# Altium PCB WX0.011.893PCB-4.2(1).PcbDoc (part 2 of 2) (continued)
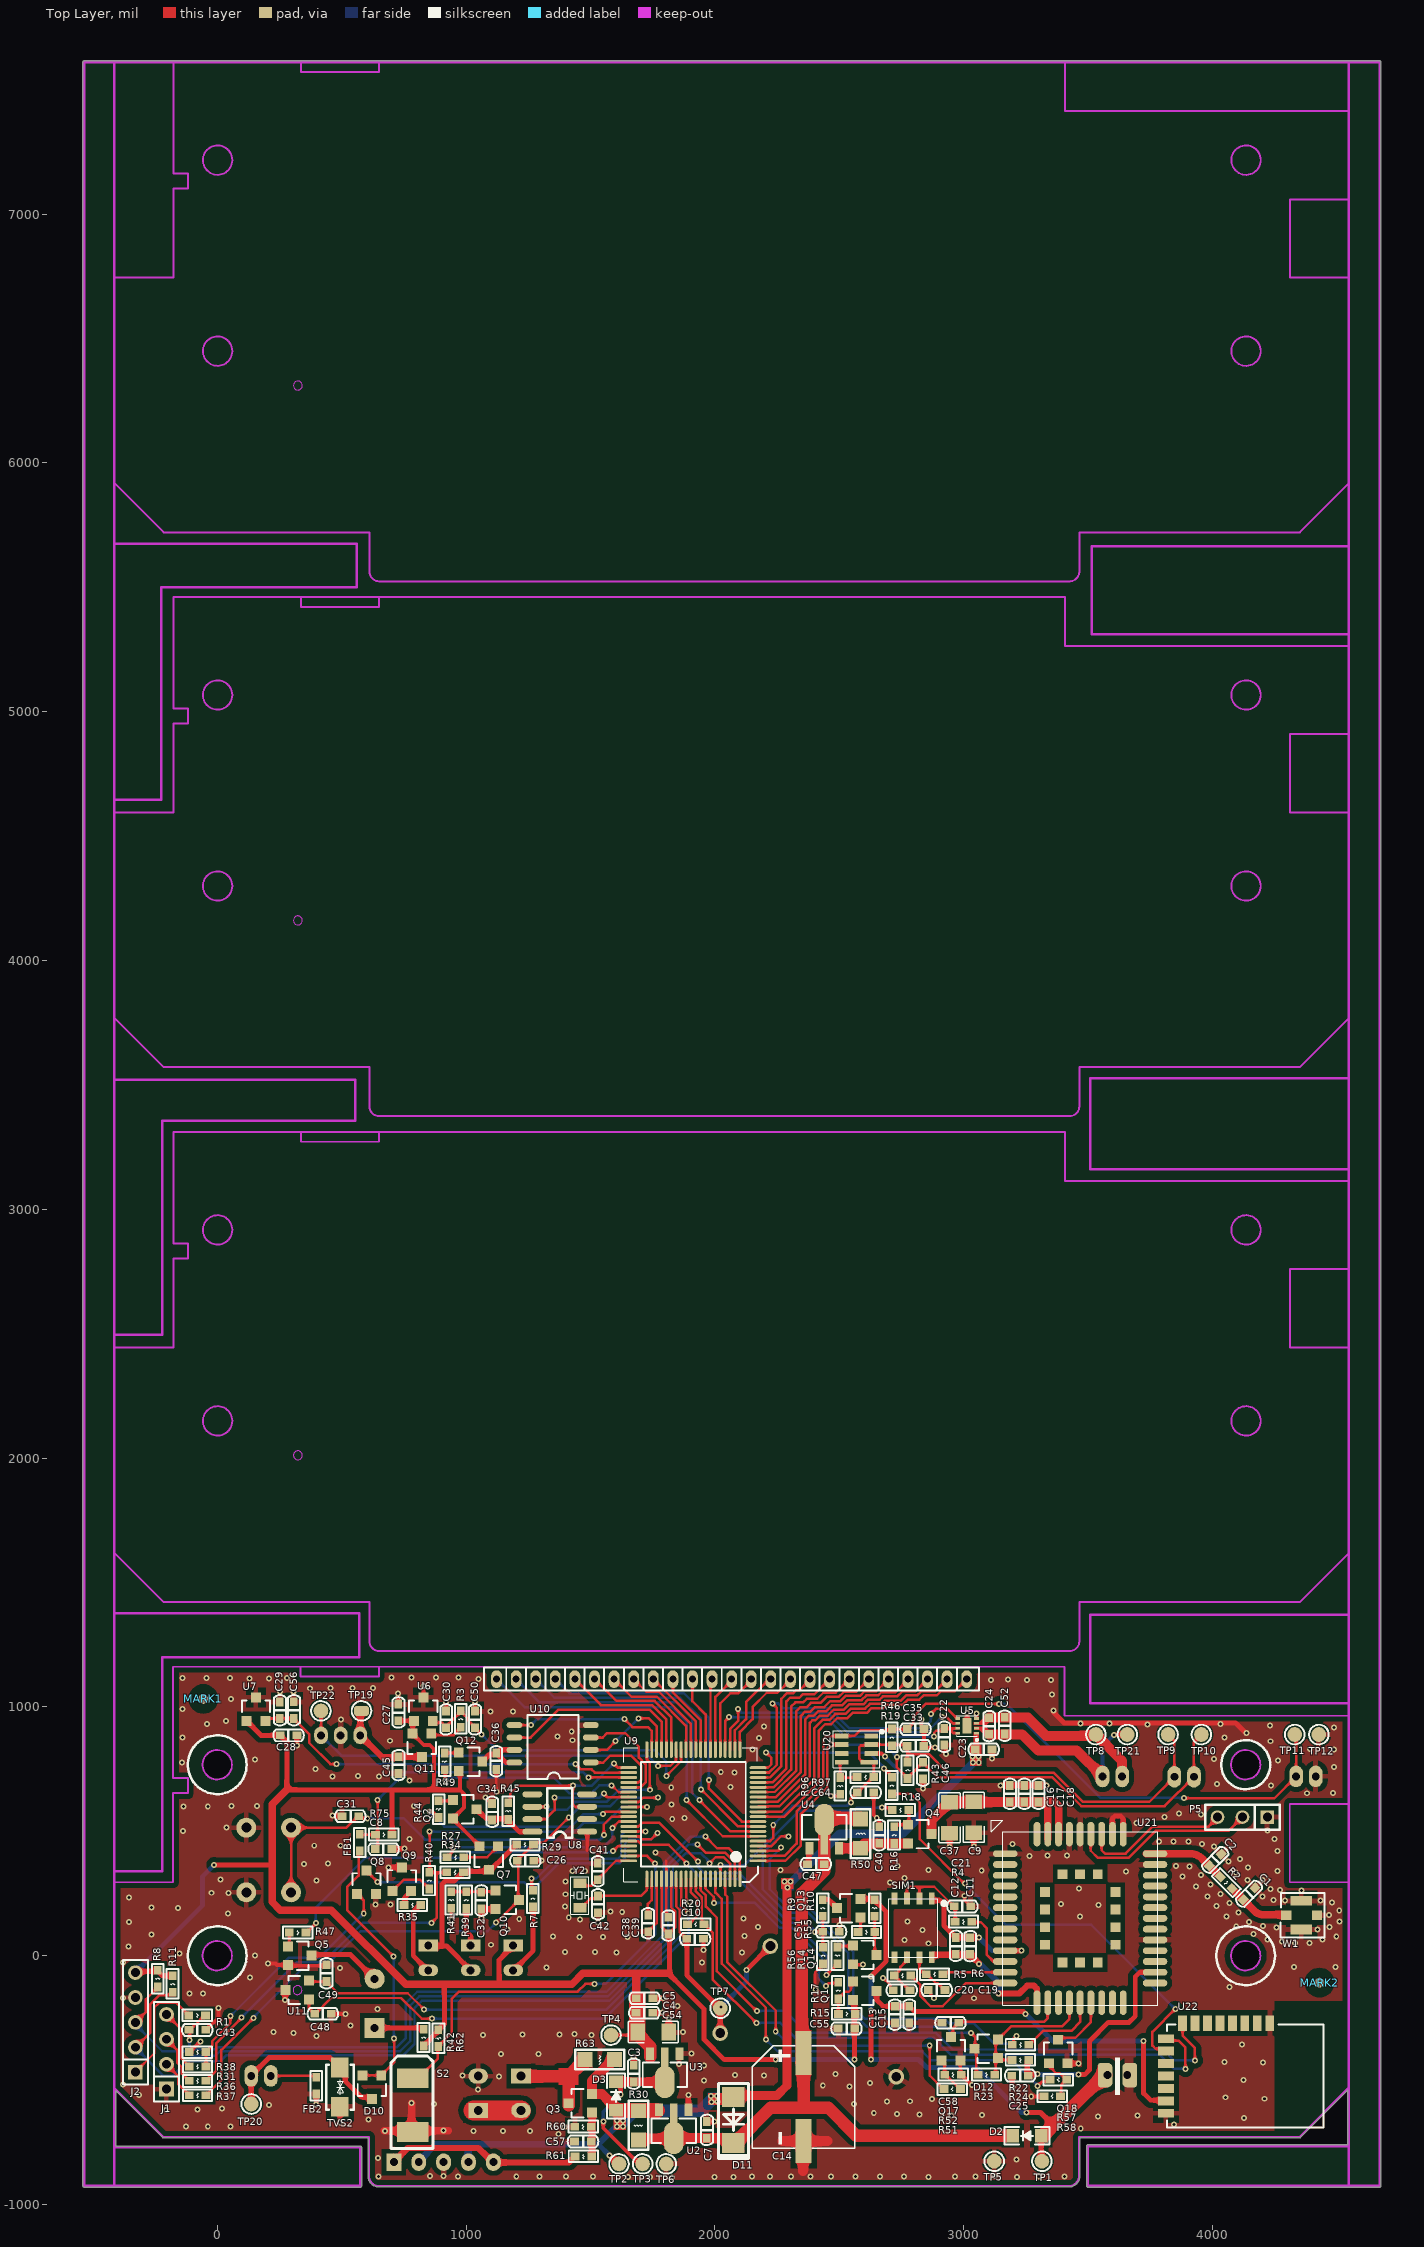
[diagram p0: Top Layer view]
## Nets (pads, with @x,y where several pads share a name; then routed paths per layer and width w, separated by ;. In a path a pad name is that pad's centre, name@x,y a point inside that pad or via, vN(x,y) a via of type N, cw(c..) or ccw(c..) an arc to the next point about the centre after c; other vN are vias at no path point) (continued)
  Top Layer w10: U20.8@2504,780 R96.2@2504,716 R97.1@2570,716
OPEN: U5.6 U9.23 | length 1138.1
  Top Layer w10: U9.23@2061.47,828.48 2061.47,910.91 2094,943.44 v1(2094,991) ; v1(2913,960) 2931,960 2957.16,933.84 U5.6@2976.6,933.84
  Bottom Layer w10: v1(2094,991) 2094,989 2107,976 2455,976 2533,898 2852,898 2913.5,959.5 v1@2913.5,962.5
R: C24.1 C52.1 P3.1 TP21.1 U5.2 | length 766.6
  Top Layer w15: v1@3605,889 TP21.1@3658,889
  Top Layer w40: C24.1@3102.17,889.87 3235.13,889.87 3301,824 3454.86,824 P3.1@3558.58,720.28
  Bottom Layer w15: P3.1@3558.58,720.28 3558.58,841.58 v1(3605,888)
RESET_N: C58.1 Q17.3 U21.15 | length 526.1
  Top Layer w10: Q17.3@2949.5,-326.76 2957,-319.26 2957,-291 2978,-270 C58.1@2980.49,-270 ; C58.1@2985.49,-275 2994.49,-266 3324,-266 3338,-252 U21.15@3338,-159
RST: C43.1 R1.1 U9.80 | length 3095.7
  Top Layer w10: C43.1@-113.49,-298 C43.1@-111,-295.51 ; v1@-111,-337 C43.1@-111,-295.51 ; R1.1@-47,-240 -51,-240 -106.51,-295.51 C43.1@-111,-295.51 ; v1(1962,479) 2010,431 2057,431 2100,388 2100,309.64 U9.80@2100.84,308.8
  Bottom Layer w10: v1@-112,-337 -112,-362 -98,-376 -5,-376 4,-367 722,-367 757,-332 757,-192 804,-145 1563.96,-145 1795,86.04 1795,372 1902,479 v1(1962,479)
  other v1: -112,-339
RXD1: P9.1 TP22.1 U9.34 | length 1627.8
  Top Layer w10: P9.1@417.36,885.67 TP22.1@417.36,983.64 ; v1(1771,763) 1821,763 1844.94,786.94 U9.34@1844.94,828.48
  Bottom Layer w10: P9.1@417.36,885.67 499.03,804 1730,804 v1(1771,763)
RXD5: R20.2 U9.71 U22.9 | length 2666.7
  Top Layer w10: U9.71@1923.68,308.8 1923.68,258.62 1947,235.3 R20.2@1947,123 ; R20.2@1957,127 1991,93 1991,-95 v1@2167,-271 ; U22.9@3813.58,-333.6 3820.98,-341 3864,-341 3892,-369 v1(3892,-455)
  Bottom Layer w10: v1(2167,-270) 2263,-270 2322,-329 2880,-329 2950,-399 3789,-399 3844,-454 v1@3898,-454
S0: LCD1.5 U9.36 | length 555.9
  Top Layer w10: LCD1.5@1437.8,1111.64 1542.43,1007 1748,1007 1805.57,949.43 U9.36@1805.57,828.48
S1: LCD1.6 U9.35 | length 501.1
  Top Layer w10: LCD1.6@1516.54,1111.64 1604.17,1024 1758,1024 1825.25,956.75 U9.35@1825.25,828.48
S2: LCD1.7 U9.32 | length 462.1
  Top Layer w10: LCD1.7@1595.28,1111.64 1665.91,1041 1767,1041 1884.31,923.69 U9.32@1884.31,828.48
S3: LCD1.8 U9.31 | length 407.9
  Top Layer w10: LCD1.8@1674.02,1111.64 1724.65,1061 1775,1061 1903.99,932.01 U9.31@1903.99,828.48
S4: LCD1.9 U9.30 | length 354
  Top Layer w10: LCD1.9@1752.76,1111.64 1923.68,940.72 U9.30@1923.68,828.48
S5: LCD1.10 U9.29 | length 329.5
  Top Layer w10: LCD1.10@1831.5,1111.64 1831.5,1058.5 1943.36,946.64 U9.29@1943.36,828.48
S6: LCD1.11 U9.28 | length 305
  Top Layer w10: LCD1.11@1910.24,1111.64 1910.24,1022.76 1963.05,969.95 U9.28@1963.05,828.48
S7: LCD1.12 U9.27 | length 287.2
  Top Layer w10: U9.27@1982.73,828.48 1982.73,1105.39 LCD1.12@1988.98,1111.64 LCD1.12@1990,1110.61
S8: LCD1.13 U9.26 | length 326
  Top Layer w10: U9.26@2002.42,828.48 2002.42,1040.42 LCD1.13@2069,1107 ; LCD1.13@2067.72,1091.72 LCD1.13@2067.72,1111.64
S9: LCD1.14 U9.25 | length 362.4
  Top Layer w10: U9.25@2022.1,828.48 2022.1,1014.1 2062,1054 2094,1054 LCD1.14@2149,1109 ; LCD1.14@2146.46,1101.09 LCD1.14@2146.46,1111.64
S10: LCD1.15 U9.22 | length 356.2
  Top Layer w10: U9.22@2081.16,828.48 2081.16,906.16 2126,951 2126,1019 2219.5,1112.5 LCD1.15@2219.5,1118.5 ; LCD1.15@2225.2,1104.2 LCD1.15@2225.2,1111.64 LCD1.15@2225.2,1110.2
S11: LCD1.16 U9.21 | length 392.5
  Top Layer w10: U9.21@2100.84,828.48 2100.84,899.84 2152,951 2152,1000 2209,1057 2252,1057 2303.94,1108.94 LCD1.16@2303.94,1111.64
S12: LCD1.17 U9.18 | length 533.3
  Top Layer w10: U9.18@2173.68,716.28 2222.32,716.28 2268,761.96 2268,1033 2289,1054 2314,1054 2327,1067 2341,1067 2382.68,1108.68 LCD1.17@2382.68,1111.64
S13: LCD1.18 U9.17 | length 617.2
  Top Layer w10: U9.17@2173.68,696.59 2231.59,696.59 2288,753 2288,1022 2303,1037 2340,1037 2353,1050 2399.78,1050 LCD1.18@2461.42,1111.64
S14: LCD1.19 U9.16 | length 694.8
  Top Layer w10: U9.16@2173.68,676.91 2235.95,676.91 2307,747.96 2307,1001 2324,1018 2355,1018 2370,1033 2412,1033 2436,1057 2485.52,1057 LCD1.19@2540.16,1111.64
S15: LCD1.20 U9.15 | length 772.9
  Top Layer w10: U9.15@2173.68,657.22 2174.46,658 2241.08,658 2328,744.92 2328,983 2343,998 2368,998 2386,1016 2425,1016 2449,1040 2498,1040 2519,1061 2568.26,1061 LCD1.20@2618.9,1111.64
S16: LCD1.21 U9.14 | length 852.7
  Top Layer w10: U9.14@2173.68,637.54 2245.54,637.54 2346,738 2346,964 2363,981 2384,981 2402,999 2440,999 2464,1023 2505.04,1023 2526.04,1044 2583.36,1044 2602.36,1063 2649,1063 LCD1.21@2697.64,1111.64
S17: LCD1.22 U9.13 | length 938.6
  Top Layer w10: U9.13@2173.68,617.85 2252.85,617.85 2363,728 2363,950 2377,964 2397,964 2415,982 2447.04,982 2471.04,1006 2512.08,1006 2533.08,1027 2590.4,1027 2609.4,1046 2656.04,1046 2669.04,1059 2726,1059 2776.38,1109.38 LCD1.22@2776.38,1111.64
S18: LCD1.23 U9.12 | length 1018.9
  Top Layer w10: U9.12@2173.68,598.17 2175.46,599.95 2258.99,599.95 2382,722.96 2382,936 2392.38,946.38 2404.38,946.38 2423,965 2454.08,965 2478.08,989 2519.12,989 2540.12,1010 2597.45,1010 2616.45,1029 2663.08,1029 2676.08,1042 2733.04,1042 2754.04,1063 2806.48,1063 LCD1.23@2855.12,1111.64
S19: LCD1.24 U9.11 | length 1101.1
  Top Layer w10: U9.11@2173.68,578.48 2268.48,578.48 2399,709 2399,914 2433,948 2461.12,948 2485.12,972 2526.17,972 2547.17,993 2604.49,993 2623.49,1012 2670.13,1012 2683.13,1025 2748,1025 2769,1046 2813.52,1046 2830.52,1063 2885.22,1063 LCD1.24@2933.86,1111.64
S20: LCD1.25 U9.10 | length 1189.8
  Top Layer w10: U9.10@2173.68,558.8 2279.8,558.8 2417,696 2417,904 2444,931 2468.17,931 2492.17,955 2533.21,955 2554.21,976 2611.53,976 2630.53,995 2677.17,995 2690.17,1008 2755.04,1008 2776.04,1029 2822,1029 2839,1046 2892.26,1046 2909.26,1063 2963.96,1063 LCD1.25@3012.6,1111.64
SET: Q8.3 U9.55 | length 1453.4
  Top Layer w10: Q8.3@600,343.24 600,341 v1(645,296) ; U9.55@1653.99,480.06 1695.43,480.06 1707.75,467.74 1743.74,467.74 v1(1769,493)
  Bottom Layer w10: v1@643,298 v1(645,296) 1232.75,296 1250.75,278 1280,278 1374,372 1617.3,372 1640,394.7 1640,452 1655,467 1743,467 v1(1769,493)
SIM_CLK: C20.1 R5.1 SIM1.6 | length 193.3
  Top Layer w10: R5.1@2720.84,-79.36 2722,-79.36 2781.64,-139 C20.1@2784.49,-139 ; R5.1@2722.64,-79.36 2746,-56 2746,-45 2772.26,-18.74 SIM1.6@2772.26,-6.36 ; SIM1.6@2772.26,0.26 SIM1.6@2772.26,11.64
SIM_DATA: C21.1 R4.2 SIM1.2 SIM1.3 | length 380.9
  Top Layer w10: SIM1.3@2772,227 2772,266 2783,277 2882,277 2960.36,198.64 C21.1@2962.34,198.64 ; SIM1.2@2822.26,221 2822.26,277 ; R4.2@2965.84,136.64 C21.1@2965.84,195.15
SIM_RST: C19.1 R6.1 SIM1.7 | length 182.7
  Top Layer w10: SIM1.7@2822.26,-6.36 2822.26,-53.26 2847.36,-78.36 2856.36,-78.36 2888,-110 2895,-110 C19.1@2923,-138
SLEEP: C22.2 U5.7 U5.8 U9.24 | length 1180.3
  Top Layer w10: U9.24@2041.79,828.48 2041.79,942.79 2057,958 v1@2058,958 ; v1@2885.98,881 v1(2882,881) 2882,896 2891,905 2913.49,905 C22.2@2922,913.51 C22.2@2915.49,907 ; C22.2@2914,914 2951,914 ; U5.8@2976.6,894.48 2957.52,894.48 2951,901 2951,914 ; U5.7@2976.6,914 2951,914
  Bottom Layer w10: v1(2058,959) 2446,959 2524,881 v1(2882,881) 2887,881 v1@2889,883
STATE_BLE: R19.2 U22.10 | length 1863
  Top Layer w10: R19.2@2712,650 2789,650 2824,615 2824,469 3006.5,286.5 v1@3007.5,286.5 ; U22.10@3795,-372 U22.10@3805,-382 ; U22.10@3813.58,-383.6 3803.98,-374 3772,-374 3759,-361 3759,-306 v1@3854.5,-210.5
  Bottom Layer w10: v1@3003,291 3170,124 3513,124 3852.5,-215.5 v1@3856.5,-215.5
  other v1: 3851,-214 3005,290
SWCLK: J2.2 R11.2 U9.78 | length 3478.3
  Top Layer w10: J2.2@-329,-368 -328,-368 -270,-310 -270,-196 -232,-158 R11.2@-170,-158 ; v1(1978,370) 2004,396 2035.36,396 2061.47,369.88 U9.78@2061.47,308.8
  Bottom Layer w10: J2.2@-329,-368 -329,-369.73 -215.73,-483 -179,-483 -121,-425 12,-425 36,-401 747,-401 793,-355 793,-210.75 822.75,-181 1576.04,-181 1832,74.96 1832,360.25 1882.75,411 1945.25,411 1978,378.25 v1(1978,370)
SWIO: J2.3 R8.2 U9.79 | length 3355.4
  Top Layer w10: J2.3@-329,-268 -287,-226 -287,-175 -237,-125 R8.2@-233,-125 ; v1@1930,446 v1(1930,447) 1964,413 2042.4,413 2081.16,374.24 U9.79@2081.16,308.8
  Bottom Layer w10: J2.3@-329,-268 -329,-276 -221,-384 -123,-384 -104,-403 -7.96,-403 11.04,-384 735,-384 776,-343 776,-200 813,-163 1570,-163 1812,79 1812,364.3 1894.7,447 v1(1930,447)
TXD5: U9.72 U22.8 | length 2651.7
  Top Layer w10: U9.72@1943.36,308.8 1943.36,262.97 1964,242.34 1964,197 2008,153 2008,-62 v1@2171.5,-225.5 ; U22.8@3880.51,-271 3880.51,-321.51 3930,-371 v1@3930,-424
  Bottom Layer w10: v1(2169,-222) 2282.88,-222 2370.88,-310 2889,-310 2956,-377 3801,-377 3845,-421 v1@3936,-421
  other v1: 3930,-421
USIM_CLK: R5.2 U21.13 | length 530.3
  Top Layer w10: R5.2@2787.84,-79.36 2826.5,-118.03 2826.5,-161.75 2867.75,-203 2916,-203 3009,-110 U21.13@3198,-110 ; U21.13@3195.41,-113.25 U21.13@3198.82,-109.84
USIM_DATA: R4.1 U21.11 | length 314.6
  Top Layer w10: R4.1@3024,137 3026,135 3069,135 3094,110 3094,3 3120.23,-23.23 U21.11@3198.82,-23.23 ; R4.1@3032.84,136.64 R4.1@3043.62,136.64
USIM_GND: C11.2 C12.2 SIM1.1 U21.10 | length 558.8
  Top Layer w20: SIM1.1@2874,222.38 2905.51,222.38 2920.89,207 2920.89,121.09 C12.2@2968.84,73.15 v1@3062,73.15 ; U21.10@3167.32,20.08 v1@3233,20.08
  Bottom Layer w20: v1(3062,73) 3115,20 v1@3233,20
  other v1: 3232,20
USIM_RST: R6.2 U21.12 | length 294.8
  Top Layer w10: R6.2@2910,-81 R6.2@2917,-74 2924.47,-66.53 U21.12@3198.82,-66.53
USIM_VDD: C11.1 C12.1 SIM1.8 U21.14 | length 606.1
  Top Layer w25: SIM1.8@2878.39,3.51 3026,3.51 3062,-30.49 v1(3062,-33) ; v1@3141,-152 3224,-152 3256,-120 3283,-120 3295,-132 U21.14@3295,-214
  Bottom Layer w25: v1(3062,-33) 3064.51,-33 3141,-109.49 v1(3141,-151)
VDD_BLE: C13.1 C15.1 Q1.3 U22.14 | length 1512.8
  Top Layer w20: Q1.3@2652,-141 Q1.3@2650.24,-141 2650.24,-177.24 2676.51,-203.51 C13.1@2724,-203.51 C15.1@2782,-203.51 2803.49,-225 3241,-225 v1@3250,-234 ; v1(3724,-343) 3724,-553 3752,-581 U22.14@3831,-581
  Bottom Layer w20: v1@3248,-232 3359,-343 v1@3725,-343
  other v1: 3249,-234
VDD_BLE_CTL: R17.1 U9.73 | length 831.4
  Top Layer w10: U9.73@1963.05,308.8 1963.05,268.95 1996,236 v1(1996,212) ; v1@2446,-123 2459,-110 2493,-110 R17.1@2496,-107 ; v1@2449,-124 v1@2449,-119
  Bottom Layer w10: v1(1996,212) 2161,212 2261,112 2311.25,112 2432,-8.75 2432,-49.75 2417,-64.75 2417,-92 v1(2447,-122)
VDD_EXT_3V: C25.1 R24.1 U21.24 | length 935
  Top Layer w20: C25.1@3255,-482.51 R24.1@3255,-425.5 ; C25.1@3261.51,-476 v1(3298,-476) ; v1(3461,-478) 3487,-478 3506,-459 3506,-344 3582,-268 3665,-268 3690,-243 3690,-84 3707.47,-66.53 U21.24@3769.68,-66.53 U21.24@3801.18,-66.53
  Bottom Layer w20: v1@3297,-477 3464,-477 3463,-478 v1(3461,-478)
VIN: D2.1 J4.2 Q13.2 R10.2 TP1.1 | length 2049.7
  Top Layer w20: Q13.2@2586.24,228.4 2637.6,228.4 2689,177 2689,-22 v1@2627.5,-83.5 ; v1(2628,-417) v1(2628,-221) ; v1(3253,-630) 3309,-630 3361.26,-682.26 ; D2.1@3312.05,-724 3312.05,-823.09 TP1.1@3314.96,-826
  Top Layer w50: D2.1@3318.26,-725.26 3361.26,-682.26 3562.51,-481 J4.2@3573,-481
  Bottom Layer w20: v1(2628,-417) 2819,-417 2851,-449 3051,-449 3232,-630 v1@3251,-630 ; v1@2628,-222 v1(2628,-83) ; v1@3252,-629 v1@3251,-630 ; v1@3254,-630 v1(3253,-630) v1@3251,-630
VIN_ADC: C51.2 R9.2 R56.1 U9.53 | length 1111.9
  Top Layer w10: U9.53@1653.99,519.43 1693.43,519.43 1709,535 1776,535 v1(1933,378) ; v1@1933.5,378.5 v1@1935,377 ; v1(2403,96) 2429.49,96 2431.49,94 C51.2@2433.49,96 ; R56.1@2434,35 R9.2@2434,158
  Bottom Layer w10: v1(1933,378) 1934,378 1933,377 1933,356 1957,332 2098,332 2279,151 2351,151 v1@2406,96
VIN_N: C7.1 C14.1 C47.1 D2.2 D11.2 R30.1 R50.1 U2.2 U4.2 | length 2987
  Top Layer w40: R30.1@1699.1,-735.1 U2.2@1837.84,-735.1 ; U2.2@1839.45,-733.49 C7.1@1968,-733.49 D11.2@2075,-733.49
  Top Layer w50: D11.2@2075,-752.5 2083.5,-752.5 2225,-611 2456,-611 2568,-723 D2.2@3198,-723 ; C14.1@2347,-431 2350,-428 2350,251 2440,341 U4.2@2440,456.57 2440,554 R50.1@2584,554 ; 2357,-608 C14.1@2357,-390.83
VRTC: C10.1 J3.1 TP7.1 U9.67 | length 1029.1
  Top Layer w10: U9.67@1844.94,308.8 1844.94,198.1 1859,184.04 1859,94 C10.1@1886,67
  Top Layer w20: C10.1@1887.51,68 1887.51,-78.51 2021.72,-212.72 J3.1@2021.72,-315 ; v1@2126.41,-58.41 v1(2127.82,-57) J3.1@2223.51,38.68
  Bottom Layer w20: v1@2023,-208 2127.82,-103.18 v1(2127.82,-57)
  other v1: 2024,-207
"WAKE UP": Q18.3 U21.19 | length 264.4
  Top Layer w10: Q18.3@3371,-339 3380,-330 3449,-330 3511.81,-267.19 U21.19@3511.81,-188.58 ; Q18.3@3381.5,-349.76 Q18.3@3392.26,-339
WY_POW: C33.2 C64.2 P7.1 R43.1 R46.2 R97.2 TP9.1 U9.5 U20.1 U20.3 | length 2407.9
  Top Layer w10: U9.5@2173.68,460.37 2222.37,460.37 2235,473 v1(2235,525) ; v1(2547,616) 2547,633 2570,656 C64.2@2572.49,656 2574,656 2636,718 R97.2@2639,718 ; U20.1@2620.93,777.48 2595.52,777.48 2580,793 2580,838 2587,845 2625.46,845 U20.3@2628.8,848.35 2768.14,848.35 2773.49,843 2773.49,810 ; U20.1@2639,777 R97.2@2639,718 ; R97.2@2643,714 R97.2@2639,718 ; R43.1@2773.49,780.51 2773.49,810 ; TP9.1@3822,889 3847.21,863.79 P7.1@3847.21,719.05 3746.15,618 3480.04,618 3363.04,735 2936,735 2861,810 2773.49,810
  Bottom Layer w10: v1(2235,525) 2312,602 2532,602 v1@2547,617
WY_SCL: C35.1 P6.1 R46.1 TP11.1 U9.2 U20.5 | length 3025
  Top Layer w10: U9.2@2173.68,401.32 2279.57,401.32 2329,450.75 2329,580 2435,686 2435,870 2448,883 2508,883 U20.5@2512,887 ; U20.5@2506,883 2503,886 2520,886 U20.5@2522,884 ; U20.5@2510.69,883.78 2561.78,883.78 2585,907 R46.1@2707,907 ; R46.1@2712,911 C35.1@2781,911 ; C35.1@2773.51,911 2798,935.49 2798,962.25 2847.75,1012 v1(3142,1012) ; v1@3142,1011 v1@3146,1011 ; v1(3886,633) 4249.14,633 P6.1@4336.69,720.55 TP11.1@4336.69,903
  Bottom Layer w10: v1(3142,1012) 3173,1012 3551,634 v1@3889,634
WY_SDA: C46.1 P7.2 R43.2 TP10.1 U9.1 U20.6 | length 2581.4
  Top Layer w10: U9.1@2173.68,381.63 2283.93,381.63 2346,443.7 2346,570 2452,676 2452,833 2467.35,848.35 U20.6@2510.69,848.35 ; v1@2462,848 v1@2462.35,848.35 ; v1@2732,800 2732,757 2775,714 R43.2@2775,712 2775,715 2838.49,778.49 C46.1@2840,778.49 ; C46.1@2837,777.49 2837.25,777.25 2837.25,774.75 2866,746 2894,718 3356,718 3473,601 3807.89,601 P7.2@3925.95,719.05 3925.95,858.94 TP10.1@3956,889
  Bottom Layer w10: v1(2467,848.35) 2682.65,848.35 v1@2735,796
  other v1: 2732,799
X1: R62.1 S2.1 U9.59 | length 1699.9
  Top Layer w10: S2.1@817,-483 887,-413 887,-361 R62.1@893,-361 ; R62.1@889,-365 R62.1@893,-361 ; v1(1516,-113) 1480,-113 1448.5,-144.5 971.5,-144.5 942,-174 942,-310 893,-359 R62.1@893,-361 ; U9.59@1653.99,401.32 1727.68,401.32 v1@1760,369
  Bottom Layer w10: v1(1516,-113) 1561,-113 1761,87 1761,369 v1(1760,370)
XT1: C42.1 U9.61 Y2.1 | length 359.7
  Top Layer w10: Y2.1@1457.84,192.64 1463.64,192.64 1501,230 C42.1@1520.71,230 ; C42.1@1537,230 C42.1@1520.71,230 ; U9.61@1726.83,308.8 1726.83,263.83 1703.13,240.13 C42.1@1530.84,240.13 C42.1@1520.71,230
XT2: C41.2 U9.60 Y2.2 | length 247.4
  Top Layer w10: Y2.2@1457.84,291.06 1467.9,281 1505.51,281 C41.2@1524.25,299.75 ; C41.2@1527,297 C41.2@1524.25,299.75 ; U9.60@1653.99,381.63 1603.63,381.63 1530,308 C41.2@1530,305.49 C41.2@1524.25,299.75
pads on no net: MARK1.0 MARK1.1 MARK2.0 MARK2.1 SIM1.4 SIM1.5 U8.2 U8.4 U8.5 U9.58 U9.74 U20.4 U20.7 U21.2 U21.3 U21.4 U21.5 U21.6 U21.7 U21.8 U21.9 U21.16 U21.20 U21.21 U21.22 U21.23 U21.25 U21.26 U21.28 U21.29 U21.30 U21.31 U21.32 U21.33 U21.44 U21.45 U21.46 U21.47 U21.48 U21.49 U21.50 U21.51 U21.52 U21.53 U21.54 U21.55 U21.56 U21.57 U21.58 U22.2 U22.3 U22.4 U22.5 U22.6 U22.7 U22.11 U22.12 U22.13

## Polygon pours and split planes (outlines as drawn)
GND on Top Layer "GND" (solid, remove dead copper, pour order 4): -472.18,1186.61 3402.1,1186.61 3405.79,1182.93 3420.53,1168.18 3420.53,991.28 4559.34,991.28 4566.71,983.91 4555.65,972.85 4555.66,-943.99 -436.18,-943.98
GND on Bottom Layer "GND" (solid, remove dead copper, pour order 3): -464.1,1142.11 3410.18,1142.11 3413.86,1138.42 3428.61,1123.68 3428.61,946.78 4567.41,946.78 4574.78,939.41 4563.72,928.35 4563.73,-988.49 -428.1,-988.49

## Keep-outs
Keep-Out Layer:
  circle w7.87: c0,767.7 r59.06
  circle w5: c322.83,-138.35 r18
  circle w7.87: c0,0 r59.06
  circle w7.87: c0.01,767.72 r59.06
  circle w7.87: c0,767.7 r59.06
  circle w7.87: c0,-0.01 r59.06
  circle w7.87: c4133.86,767.7 r59.06
  circle w7.87: c4133.86,-0.01 r59.06
  circle w7.87: c0,0 r59.06
  circle w7.87: c1.53,2149.66 r59.06
  circle w7.87: c4135.39,2149.65 r59.06
  circle w7.87: c4135.39,2917.36 r59.06
  circle w7.87: c1.54,2149.65 r59.06
  circle w7.87: c1.54,2917.36 r59.06
  circle w7.87: c1.54,2917.38 r59.06
  circle w7.87: c1.53,2149.66 r59.06
  circle w5: c324.37,2011.31 r18
  circle w7.87: c1.54,2917.36 r59.06
  circle w7.87: c1.53,4299.66 r59.06
  circle w7.87: c4135.39,4299.65 r59.06
  circle w7.87: c4135.39,5067.36 r59.06
  circle w7.87: c1.54,4299.65 r59.06
  circle w7.87: c1.54,5067.36 r59.06
  circle w7.87: c1.54,5067.38 r59.06
  circle w7.87: c1.53,4299.66 r59.06
  circle w5: c324.37,4161.31 r18
  circle w7.87: c1.54,5067.36 r59.06
  circle w7.87: c1.53,6449.66 r59.06
  circle w7.87: c4135.39,6449.65 r59.06
  circle w7.87: c4135.39,7217.36 r59.06
  circle w7.87: c1.54,6449.65 r59.06
  circle w7.87: c1.54,7217.36 r59.06
  circle w7.87: c1.54,7217.38 r59.06
  circle w7.87: c1.53,6449.66 r59.06
  circle w5: c324.37,6311.31 r18
  circle w7.87: c1.54,7217.36 r59.06
  lines w7.87: -177,1161.4 185.04,1161.4 3405.51,1161.4 ; -175.47,3311.06 186.58,3311.06 3407.05,3311.06 ; -175.47,5461.06 186.58,5461.06 3407.05,5461.06 ; -175.47,7611.06 186.58,7611.06 3407.05,7611.06 ; 0,1161.4 -177.16,1161.4 ; 1.54,3311.06 -175.63,3311.06 ; 1.54,5461.06 -175.63,5461.06 ; 1.54,7611.06 -175.63,7611.06 ; 3424.13,-925.37 ccw(c3424.13,-886) 3463.5,-886 ; 3425.67,1224.29 ccw(c3425.67,1263.66) 3465.04,1263.66 ; 3425.67,3374.29 ccw(c3425.67,3413.66) 3465.04,3413.66 ; 3425.67,5524.29 ccw(c3425.67,5563.66) 3465.04,5563.66 ; 3427,-925.21 649.61,-925.21 cw(c649.61,-885.84) 610.24,-885.84 610.24,-728.36 -216.53,-728.36 -413.39,-531.51 ; 3428.53,1224.45 651.14,1224.45 cw(c651.14,1263.82) 611.77,1263.82 611.77,1421.3 -215,1421.3 -411.85,1618.15 ; 3428.53,3374.45 651.14,3374.45 cw(c651.14,3413.82) 611.77,3413.82 611.77,3571.3 -215,3571.3 -411.85,3768.15 ; 3428.53,5524.45 651.14,5524.45 cw(c651.14,5563.82) 611.77,5563.82 611.77,5721.3 -215,5721.3 -411.85,5918.15 ; 3463.5,-889 3463.5,-728.36 4350.39,-728.36 4547.25,-531.51 4547.25,295.26 4311.03,295.26 4311.03,610.42 ; 3465.04,1260.66 3465.04,1421.3 4351.93,1421.3 4548.78,1618.15 4548.78,2444.92 4312.56,2444.92 4312.56,2760.08 ; 3465.04,3410.66 3465.04,3571.3 4351.93,3571.3 4548.78,3768.15 4548.78,4594.92 4312.56,4594.92 4312.56,4910.08 ; 3465.04,5560.66 3465.04,5721.3 4351.93,5721.3 4548.78,5918.15 4548.78,6744.92 4312.56,6744.92 4312.56,7060.08 ; 4311.03,610.22 4547.25,610.22 4547.25,964.55 3405.51,964.55 3405.51,1161.4 ; 4312.56,2759.88 4548.78,2759.88 4548.78,3114.21 3407.05,3114.21 3407.05,3311.06 ; 4312.56,4909.88 4548.78,4909.88 4548.78,5264.21 3407.05,5264.21 3407.05,5461.06 ; 4312.56,7059.88 4548.78,7059.88 4548.78,7414.21 3407.05,7414.21 3407.05,7611.06 ; -413.39,-531.51 -413.39,295.26 -177.26,295.26 -177.17,295.17 -177.17,653.15 -118.11,653.15 -118.11,713.39 -177.16,713.39 -177.16,1161.4 ; -413.39,-531.51 -413.39,-531.51 ; -411.85,1618.15 -411.85,1618.15 ; -411.85,1618.15 -411.85,2444.92 -175.73,2444.92 -175.63,2444.83 -175.63,2802.81 -116.58,2802.81 -116.58,2863.05 -175.63,2863.05 -175.63,3311.06 ; -411.85,3768.15 -411.85,3768.15 ; -411.85,3768.15 -411.85,4594.92 -175.73,4594.92 -175.63,4594.83 -175.63,4952.81 -116.58,4952.81 -116.58,5013.05 -175.63,5013.05 -175.63,5461.06 ; -411.85,5918.15 -411.85,5918.15 ; -411.85,5918.15 -411.85,6744.92 -175.73,6744.92 -175.63,6744.83 -175.63,7102.81 -116.58,7102.81 -116.58,7163.05 -175.63,7163.05 -175.63,7611.06 ; -177.16,1161.4 3405.51,1161.4 ; -177.16,1161.4 334.65,1161.4 334.65,1122.03 649.61,1122.03 649.61,1161.4 3405.51,1161.4 ; -175.63,3311.06 336.18,3311.06 336.18,3271.69 651.14,3271.69 651.14,3311.06 3407.05,3311.06 ; -175.63,3311.06 3407.05,3311.06 ; -175.63,5461.06 336.18,5461.06 336.18,5421.69 651.14,5421.69 651.14,5461.06 3407.05,5461.06 ; -175.63,5461.06 3407.05,5461.06 ; -175.63,7611.06 3407.05,7611.06 ; -175.63,7611.06 336.18,7611.06 336.18,7571.69 651.14,7571.69 651.14,7611.06 3407.05,7611.06
  lines w10: -413.39,-925.2 -413.39,7611.3 ; -413.39,-751.72 -413.39,-770 575,-770 575,-925.21 -535,-925.21 -535,7611.3 4672,7611.3 4672,-925.21 3500,-925.21 3500,-765 4548.78,-765 4548.78,-755 ; -413.39,321.64 -413.39,340 -220,340 -220,1200 570,1200 570,1376.3 -413.39,1376.3 ; -413.39,2471.3 -413.39,2496.3 -220,2496.3 -220,3356.3 555,3356.3 555,3521.3 -413.39,3521.3 -413.39,3546.3 ; -413.39,4621.3 -413.39,4646.3 -225,4646.3 -225,5501.3 560,5501.3 560,5676.3 -413.39,5676.3 -413.39,5696.3 ; 4548.78,-925.21 4548.78,7611 ; 4548.78,990 4548.78,1015 3510,1015 3510,1371.3 4548.78,1371.3 4548.78,1396.3 ; 4548.78,3141.3 4548.78,3161.3 3510,3161.3 3510,3526.3 4548.78,3526.3 4548.78,3546.3 ; 4548.78,5291.3 4548.78,5311.3 3515,5311.3 3515,5666.3 4548.78,5666.3 4548.78,5696.3

## Other copper
Top Layer:
  rectangle net NetC6_1: 1372,-520 1452,-451
  rectangle net 5V: 3040,828 3063,900
  rectangle net 5V: 3025,763 3072,849
  rectangle net 5V: 1593,-700 1644,-594
  rectangle net 5V: 1972,-601 2062,-551
  rectangle net 3.3V: 1655,-344 1721,-148
  rectangle net 5V: 2267,269 2317,312
  pour cut-out: 2677.5,262.5 2690.45,262.5 2692,260.95 2692,218 2679,218 2677.5,219.5
  pour cut-out: 3151,835 3161,835 3163,833 3163,793.5 3151.99,793.5 3151,794.49
  pour cut-out: 3918,926 3918,760 3865,760 3865,926
  pour cut-out: 1917.77,-65.97 1965.51,-65.97 1965.51,-95.51 2018,-148 2018,-167 2012,-173 2002,-173 1917.77,-88.77
  pour cut-out: 1421,-552 1421,-562 1428,-569 1433,-569 1433,-552
  region net R: 3042,909 3064,909 3093,880 3107,880 3107,903 3090,920 3042,920
  region net B: 3041,928 3093,928 3107,942 3107,974 3098,974 3063,939 3041,939
  pour cut-out: 1412,231 1486,231 1486,254 1412,254
  pour cut-out: 1766,94 1766,59 1783,59 1783,94
  pour cut-out: -287,-455 -287,-517 -243,-517 -237,-511 -237,-494 -219,-494 -212,-487 -212,-477 -241,-448 -241,-430 -262,-430
  pour cut-out: 4551,-181.5 4551,-728.5 4248,-728.5 4248,-181.5
  pour cut-out: 4074.8,-0.01 ccw(c4133.86,-0.01) 4133.86,-59.07 ccw(c4133.86,-0.01) 4192.91,-0.01 ccw(c4133.86,-0.01) 4133.86,59.04 ccw(c4133.86,-0.01)
  pour cut-out: -119.02,768.9 ccw(c-0.91,768.9) -0.91,650.79 ccw(c-0.91,768.9) 117.2,768.9 ccw(c-0.91,768.9) -0.91,887.01 ccw(c-0.91,768.9)
  pour cut-out: -119.04,2.19 ccw(c-0.93,2.19) -0.93,-115.92 ccw(c-0.93,2.19) 117.18,2.19 ccw(c-0.93,2.19) -0.93,120.3 ccw(c-0.93,2.19)
  pour cut-out: 4035.45,767.72 ccw(c4133.87,767.72) 4133.87,669.29 ccw(c4133.87,767.72) 4232.3,767.72 ccw(c4133.87,767.72) 4133.87,866.14 ccw(c4133.87,767.72)
Bottom Layer:
  rectangle net 5V: 1594,-700 1644,-650
  rectangle net 5V: 1971,-600 2023,-550
  rectangle net 5V: 2268,263 2318,311
  rectangle net 5V: 3023,765 3073,813
  pour cut-out: 4550,-181 4550,-728 4247,-728 4247,-181
  pour cut-out: 4074.8,-0.01 ccw(c4133.86,-0.01) 4133.86,-59.07 ccw(c4133.86,-0.01) 4192.91,-0.01 ccw(c4133.86,-0.01) 4133.86,59.04 ccw(c4133.86,-0.01)
  pour cut-out: -119.02,768.9 ccw(c-0.91,768.9) -0.91,650.79 ccw(c-0.91,768.9) 117.2,768.9 ccw(c-0.91,768.9) -0.91,887.01 ccw(c-0.91,768.9)
  pour cut-out: -119.04,2.19 ccw(c-0.93,2.19) -0.93,-115.92 ccw(c-0.93,2.19) 117.18,2.19 ccw(c-0.93,2.19) -0.93,120.3 ccw(c-0.93,2.19)
  pour cut-out: 4035.45,767.72 ccw(c4133.87,767.72) 4133.87,669.29 ccw(c4133.87,767.72) 4232.3,767.72 ccw(c4133.87,767.72) 4133.87,866.14 ccw(c4133.87,767.72)

## Silkscreen, mask and mechanical layers (free items; w line width, h text height)
Top Overlay:
  circle w10: c-0.01,0 r118.11
  circle w10: c0.01,767.72 r118.11
  circle w10: c4133.87,767.72 r98.42
  circle w10: c4133.87,-0.03 r118.11
  circle w10: c4133.87,767.72 r98.42
  circle w10: c-0.01,-0.02 r118.11
Bottom Overlay:
  circle w10: c0,767.72 r118.11
  circle w10: c0,0 r118.11
  circle w10: c4133.86,-0.03 r118.11
  circle w10: c4133.86,767.69 r118.11
  circle w10: c206.65,384.65 r305.12
  text "光电" at 552,730 h60
  text "G" at 4275,612 h30
  text "CHK" at 4212,611 h30
  text "B" at 3570,595 h30
  text "R" at 3649,595 h30
  text "POW" at 3842,592 h30
  text "SDA" at 3975,592 h30
  text "R" at 4029,470 h30
  text "T" at 4130,470 h30
  text "G" at 4232,470 h30
  text "WX0.011.893PCB-4.2" at 3972.83,427.64 h30
  text "102010402-0261" at 3972.83,369.39 h30
  text "2025-10-16" at 3972.83,311.14 h30
  text "WLWn-P95" at 3972.83,252.89 h30
  text "V" at -326,211 h30
  text "V1" at 3972.83,194.64 h30
  text "G" at -326,162 h30
  text "I" at -329,111 h30
  text "+" at 884,79 h30 r270
  text "+" at 1059,79 h30 r270
  text "+" at 1256,75 h30 r270
  text "C" at -322,61 h30
  text "R" at -322,12 h30
  text "S" at -194,-41 h30
  text "T" at -193,-85 h30
  text "备电" at 2013,-87 h60
  text "R" at -193,-128 h30
  text "白" at 864,-169 h60
  text "黑" at 1048.98,-168.3 h60
  text "灯" at 1228.83,-169.77 h60
  text "G" at -193,-173 h30
  text "+" at 1906,-282 h30 r270
  text "119" at 195,-372 h60
  text "主电" at 3653,-377 h60
  text "+" at 3474,-385 h40 r270
  text "-" at 3777,-396 h40
  text "功耗测试" at 876,-768 h60
Mechanical 4:
  circle w7.87: c321.57,-137.8 r118.11

## Text inside footprints (layer, text, board x,y; h text height)
B1: Bottom Overlay "+" at 762,-358 h60 r270
C6: Bottom Overlay "-" at 1227,-681.36 h30 r180; Bottom Overlay "+" at 1235,-430.36 h30 r90
C44: Bottom Overlay "-" at 1042,-436.36 h30; Bottom Overlay "+" at 1036,-688.36 h30 r270
J3: Bottom Overlay "+" at 2591.15,-181.63 h30 r330; Bottom Overlay "+" at 2149.57,62.07 h30 r330; Bottom Overlay "-" at 2918.12,-451.19 h30 r330
LCD1: Bottom Overlay "1" at 1021.31,1024.53 h30; Bottom Overlay "25" at 3207.46,1024.53 h30